# Allegro board parallella_layout.brd (continued)
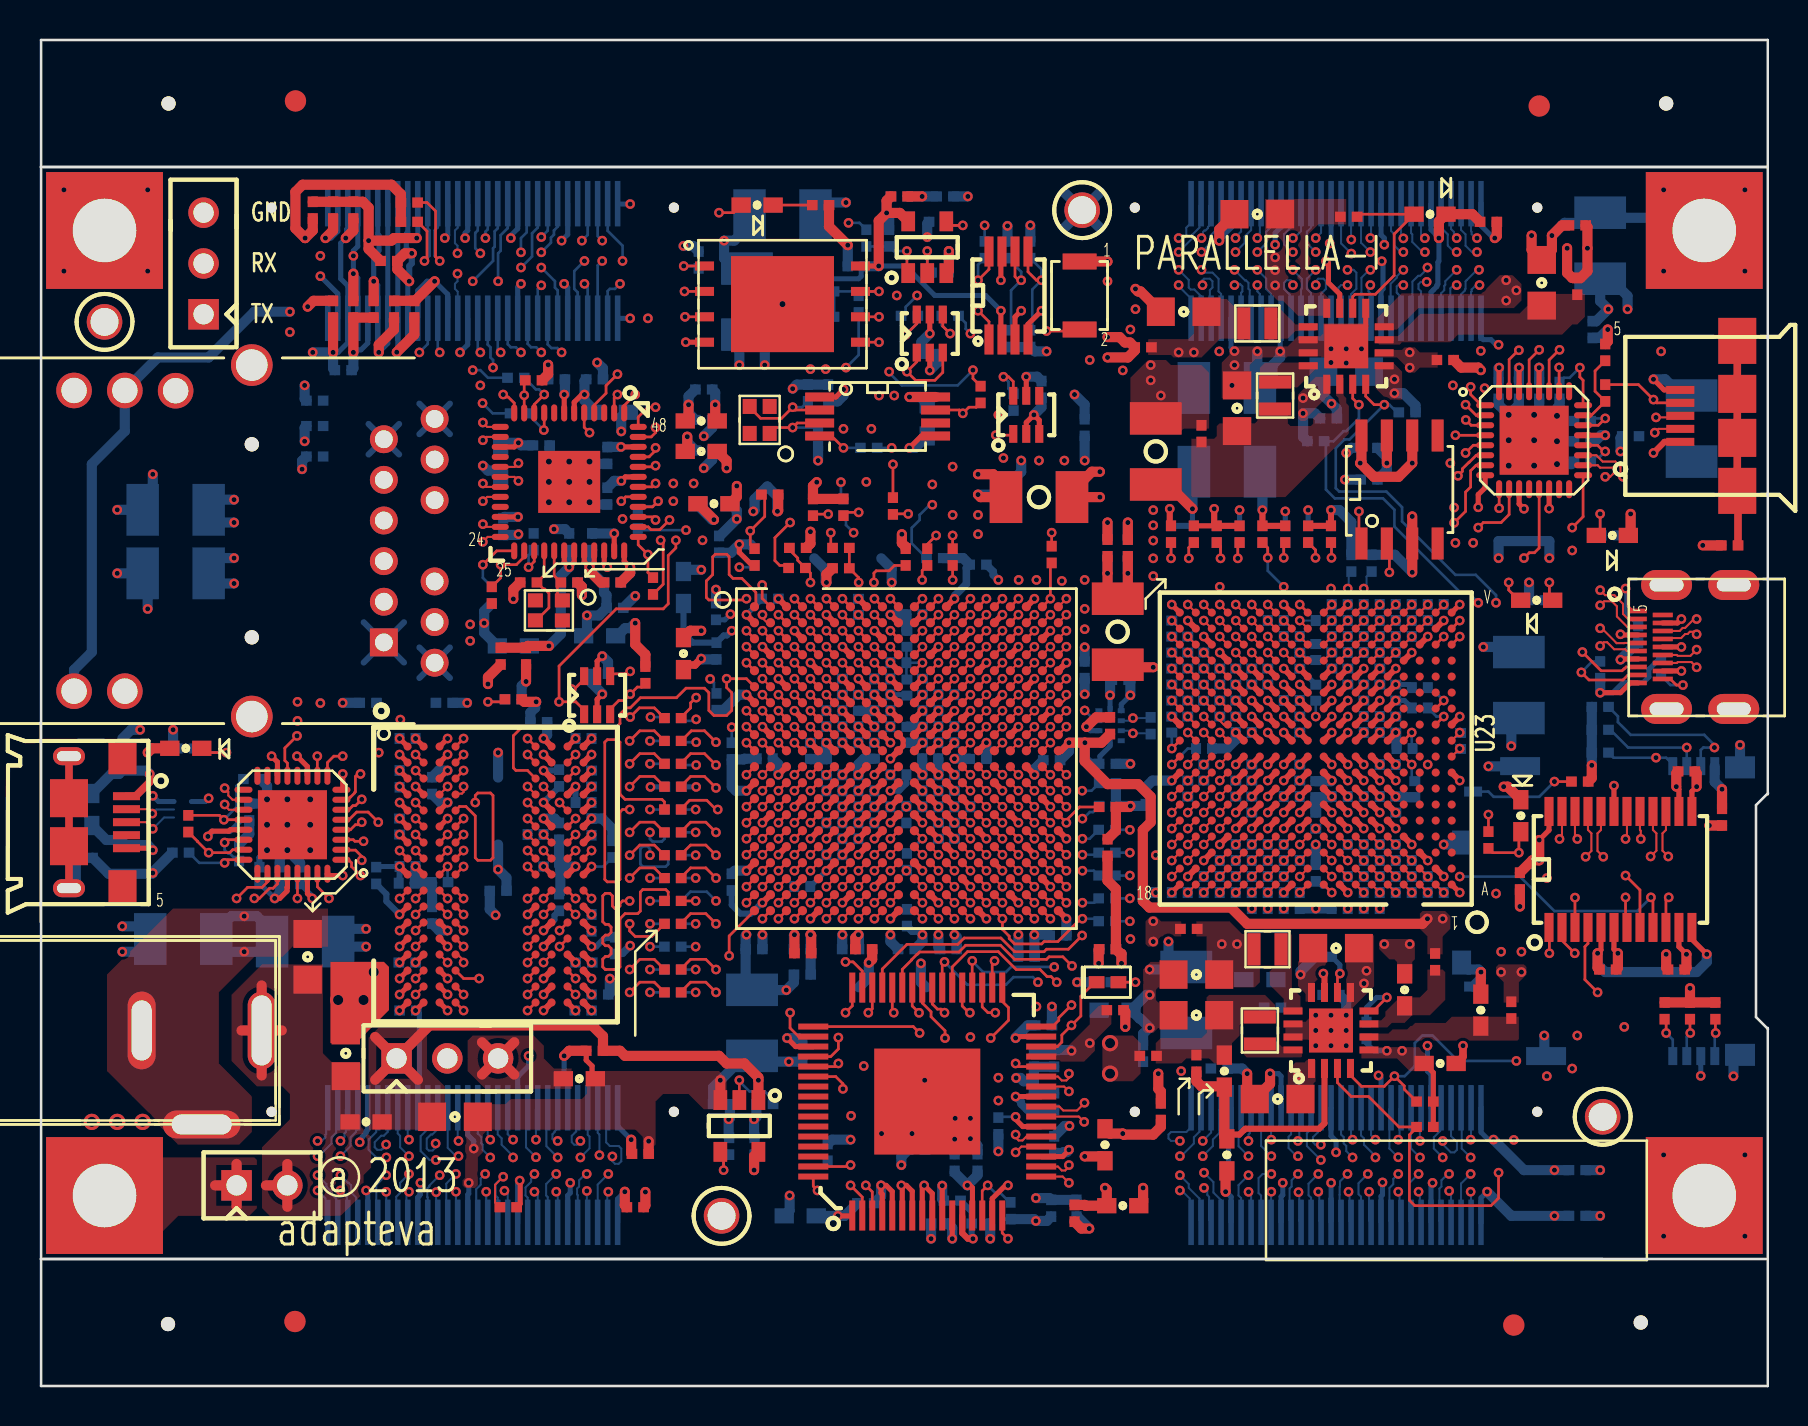
[diagram p0: board, top side]
## Nets (continued)
RXI_EA_DATA0_N: R180.2 U2.A20(IO_L2N_T0_AD8N_35) U23.T18(RXI_EA_DATA_N0)
RXI_EA_DATA0_P: R180.1 U2.B19(IO_L2P_T0_AD8P_35) U23.U18(RXI_EA_DATA_P0)
RXI_EA_DATA1_N: R181.2 U2.B20(IO_L1N_T0_AD0N_35) U23.R17(RXI_EA_DATA_N1)
RXI_EA_DATA1_P: R181.1 U2.C20(IO_L1P_T0_AD0P_35) U23.T17(RXI_EA_DATA_P1)
RXI_EA_DATA2_N: R182.2 U2.D20(IO_L4N_T0_35) U23.P16(RXI_EA_DATA_N2)
RXI_EA_DATA2_P: R182.1 U2.D19(IO_L4P_T0_35) U23.R16(RXI_EA_DATA_P2)
RXI_EA_DATA3_N: R183.2 U2.E19(IO_L5N_T0_AD9N_35) U23.N15(RXI_EA_DATA_N3)
RXI_EA_DATA3_P: R183.1 U2.E18(IO_L5P_T0_AD9P_35) U23.P15(RXI_EA_DATA_P3)
RXI_EA_DATA4_N: R184.2 U2.D18(IO_L3N_T0_DQS_AD1N_35) U23.P18(RXI_EA_DATA_N4)
RXI_EA_DATA4_P: R184.1 U2.E17(IO_L3P_T0_DQS_AD1P_35) U23.R18(RXI_EA_DATA_P4)
RXI_EA_DATA5_N: R185.2 U2.F20(IO_L15N_T2_DQS_AD12N_35) U23.N17(RXI_EA_DATA_N5)
RXI_EA_DATA5_P: R185.1 U2.F19(IO_L15P_T2_DQS_AD12P_35) U23.P17(RXI_EA_DATA_P5)
RXI_EA_DATA6_N: R186.2 U2.G18(IO_L16N_T2_35) U23.M16(RXI_EA_DATA_N6)
RXI_EA_DATA6_P: R186.1 U2.G17(IO_L16P_T2_35) U23.N16(RXI_EA_DATA_P6)
RXI_EA_DATA7_N: R187.2 U2.G20(IO_L18N_T2_AD13N_35) U23.L15(RXI_EA_DATA_N7)
RXI_EA_DATA7_P: R187.1 U2.G19(IO_L18P_T2_AD13P_35) U23.M15(RXI_EA_DATA_P7)
RXI_EA_FRAME_N: R188.2 U2.G15(IO_L19N_T3_VREF_35) U23.L17(RXI_EA_FRAME_N)
RXI_EA_FRAME_P: R188.1 U2.H15(IO_L19P_T3_35) U23.M17(RXI_EA_FRAME_P)
RXI_EA_LCLK_N: R189.2 U2.F17(IO_L6N_T0_VREF_35) U23.M18(RXI_EA_LCLK_N)
RXI_EA_LCLK_P: R189.1 U2.F16(IO_L6P_T0_35) U23.N18(RXI_EA_LCLK_P)
RXI_NO_DATA0_N: J8.3(03) R194.2 U23.A2(RXI_NO_DATA_N0)
RXI_NO_DATA0_P: J8.5(05) R194.1 U23.A3(RXI_NO_DATA_P0)
RXI_NO_DATA1_N: J8.4(04) R195.2 U23.B3(RXI_NO_DATA_N1)
RXI_NO_DATA1_P: J8.6(06) R195.1 U23.B4(RXI_NO_DATA_P1)
RXI_NO_DATA2_N: J8.7(07) R196.2 U23.C4(RXI_NO_DATA_N2)
RXI_NO_DATA2_P: J8.9(09) R196.1 U23.C5(RXI_NO_DATA_P2)
RXI_NO_DATA3_N: J8.8(08) R197.2 U23.D5(RXI_NO_DATA_N3)
RXI_NO_DATA3_P: J8.10 R197.1 U23.D6(RXI_NO_DATA_P3)
RXI_NO_DATA4_N: J8.13 R198.2 U23.A4(RXI_NO_DATA_N4)
RXI_NO_DATA4_P: J8.15 R198.1 U23.A5(RXI_NO_DATA_P4)
RXI_NO_DATA5_N: J8.14 R199.2 U23.B5(RXI_NO_DATA_N5)
RXI_NO_DATA5_P: J8.16 R199.1 U23.B6(RXI_NO_DATA_P5)
RXI_NO_DATA6_N: J8.17 R200.2 U23.C6(RXI_NO_DATA_N6)
RXI_NO_DATA6_P: J8.19 R200.1 U23.C7(RXI_NO_DATA_P6)
RXI_NO_DATA7_N: J8.18 R201.2 U23.D7(RXI_NO_DATA_N7)
RXI_NO_DATA7_P: J8.20 R201.1 U23.D8(RXI_NO_DATA_P7)
RXI_NO_FRAME_N: J8.24 R202.2 R242.2 U23.B7(RXI_NO_FRAME_N)
RXI_NO_FRAME_P: J8.26 R202.1 R243.2 U23.B8(RXI_NO_FRAME_P)
RXI_NO_LCLK_N: J8.23 R203.2 U23.A6(RXI_NO_LCLK_N)
RXI_NO_LCLK_P: J8.25 R203.1 U23.A7(RXI_NO_LCLK_P)
RXI_SO_DATA0_N: J9.3(03) R207.2 U23.V3(RXI_SO_DATA_N0)
RXI_SO_DATA0_P: J9.5(05) R207.1 U23.V2(RXI_SO_DATA_P0)
RXI_SO_DATA1_N: J9.4(04) R208.2 U23.U4(RXI_SO_DATA_N1)
RXI_SO_DATA1_P: J9.6(06) R208.1 U23.U3(RXI_SO_DATA_P1)
RXI_SO_DATA2_N: J9.7(07) R209.2 U23.T5(RXI_SO_DATA_N2)
RXI_SO_DATA2_P: J9.9(09) R209.1 U23.T4(RXI_SO_DATA_P2)
RXI_SO_DATA3_N: J9.8(08) R210.2 U23.R6(RXI_SO_DATA_N3)
RXI_SO_DATA3_P: J9.10 R210.1 U23.R5(RXI_SO_DATA_P3)
RXI_SO_DATA4_N: J9.13 R211.2 U23.V5(RXI_SO_DATA_N4)
RXI_SO_DATA4_P: J9.15 R211.1 U23.V4(RXI_SO_DATA_P4)
RXI_SO_DATA5_N: J9.14 R212.2 U23.U6(RXI_SO_DATA_N5)
RXI_SO_DATA5_P: J9.16 R212.1 U23.U5(RXI_SO_DATA_P5)
RXI_SO_DATA6_N: J9.17 R213.2 U23.T7(RXI_SO_DATA_N6)
RXI_SO_DATA6_P: J9.19 R213.1 U23.T6(RXI_SO_DATA_P6)
RXI_SO_DATA7_N: J9.18 R214.2 U23.R8(RXI_SO_DATA_N7)
RXI_SO_DATA7_P: J9.20 R214.1 U23.R7(RXI_SO_DATA_P7)
RXI_SO_FRAME_N: J9.24 R215.2 R247.2 U23.U8(RXI_SO_FRAME_N)
RXI_SO_FRAME_P: J9.26 R215.1 R246.2 U23.U7(RXI_SO_FRAME_P)
RXI_SO_LCLK_N: J9.23 R216.2 U23.V7(RXI_SO_LCLK_N)
RXI_SO_LCLK_P: J9.25 R216.1 U23.V6(RXI_SO_LCLK_P)
RXO_EA_RD_WAIT: U2.J15(IO_25_34) U38.8(R)
RXO_EA_RD_WAIT_N: R193.2 U23.J17(RXO_EA_RD_WAIT_N) U38.3(B)
RXO_EA_RD_WAIT_P: R193.1 U23.K17(RXO_EA_RD_WAIT_P) U38.2(A)
RXO_EA_WR_WAIT_N: U2.H18(IO_L14N_T2_AD4N_SRCC_35) U23.K16(RXO_EA_WR_WAIT_N)
RXO_EA_WR_WAIT_P: U2.J18(IO_L14P_T2_AD4P_SRCC_35) U23.L16(RXO_EA_WR_WAIT_P)
RXO_NO_RD_WAIT_N: J8.27 U23.B9(RXO_NO_RD_WAIT_N)
RXO_NO_RD_WAIT_P: J8.29 U23.B10(RXO_NO_RD_WAIT_P)
RXO_NO_WR_WAIT_N: J8.28 U23.C8(RXO_NO_WR_WAIT_N)
RXO_NO_WR_WAIT_P: J8.30 U23.C9(RXO_NO_WR_WAIT_P)
RXO_SO_RD_WAIT_N: J9.27 R234.2 U23.U10(RXO_SO_RD_WAIT_N)
RXO_SO_RD_WAIT_P: J9.29 R234.1 U23.U9(RXO_SO_RD_WAIT_P)
RXO_SO_WR_WAIT_N: J9.28 R235.2 U23.T9(RXO_SO_WR_WAIT_N)
RXO_SO_WR_WAIT_P: J9.30 R235.1 U23.T8(RXO_SO_WR_WAIT_P)
SD_CLK: J3.5(CLK) R32.2 R33.1
SD_CMD: J3.3(CMD) R39.1 U2.C6(PS_MIO11)
SD_DAT0: J3.7(DAT0) R37.1 U2.E9(PS_MIO10)
SD_DAT1: J3.8(DAT1) R36.1 U2.E8(PS_MIO13)
SD_DAT2: J3.1(DAT2) R35.1 U2.C5(PS_MIO14)
SD_DAT3: J3.2(CD_DAT3) R34.1 U2.C8(PS_MIO15)
SD_DETECT: J3.10(DETECT) R38.1 U2.E6(PS_MIO0)
SPDIF: J13.27 R82.2 U26.3(SPDIF)
SYS_5P0V: C52.1 C59.1 C241.1 C247.1 C253.1 C254.1 C258.1 C274.1 C279.1 J13.1(01) J13.2(02) J14.2 R276.2 R277.2 R280.2 R283.2 R284.1 R285.1 R288.2 TP15.1 U12.21(VBAT) U13.7(IN) U29.1(VINDCD1) U29.5(VINLDO) U29.12(VINDCD2) U30.1(VINDCD1) U30.5(VINLDO1) U30.8(VINLDO2) U30.12(VINDCD2) U37.11(VCC_5V)
TURBO_MODE: J13.25 R328.2 U2.R16(IO_L19P_T3_34) U36.4(Y)
TXI_EA_RD_WAIT_N: R190.2 U2.J14(IO_L20N_T3_AD6N_35) U23.G17(TXI_EA_RD_WAIT_N)
TXI_EA_RD_WAIT_P: R190.1 U2.K14(IO_L20P_T3_AD6P_35) U23.H17(TXI_EA_RD_WAIT_P)
TXI_EA_WR_WAIT_N: R191.2 U2.J16(IO_L24N_T3_AD15N_35) U23.H16(TXI_EA_WR_WAIT_N)
TXI_EA_WR_WAIT_P: R191.1 U2.K16(IO_L24P_T3_AD15P_35) U23.J16(TXI_EA_WR_WAIT_P)
TXI_NO_RD_WAIT_N: J8.38 R204.2 R240.1 U23.B11(TXI_NO_RD_WAIT_N)
TXI_NO_RD_WAIT_P: J8.40 R204.1 R241.1 U23.B12(TXI_NO_RD_WAIT_P)
TXI_NO_WR_WAIT_N: J8.34 R205.2 U23.C10(TXI_NO_WR_WAIT_N)
TXI_NO_WR_WAIT_P: J8.36 R205.1 U23.C11(TXI_NO_WR_WAIT_P)
TXI_SO_RD_WAIT_N: J9.38 R217.2 U23.U12(TXI_SO_RD_WAIT_N)
TXI_SO_RD_WAIT_P: J9.40 R217.1 U23.U11(TXI_SO_RD_WAIT_P)
TXI_SO_WR_WAIT_N: J9.34 R218.2 U23.T11(TXI_SO_WR_WAIT_N)
TXI_SO_WR_WAIT_P: J9.36 R218.1 U23.T10(TXI_SO_WR_WAIT_P)
TXO_EA_DATA0_N: U2.J19(IO_L10N_T1_AD11N_35) U23.G15(TXO_EA_DATA_N0)
TXO_EA_DATA0_P: U2.K19(IO_L10P_T1_AD11P_35) U23.H15(TXO_EA_DATA_P0)
TXO_EA_DATA1_N: U2.L15(IO_L22N_T3_AD7N_35) U23.F16(TXO_EA_DATA_N1)
TXO_EA_DATA1_P: U2.L14(IO_L22P_T3_AD7P_35) U23.G16(TXO_EA_DATA_P1)
TXO_EA_DATA2_N: U2.L17(IO_L11N_T1_SRCC_35) U23.E17(TXO_EA_DATA_N2)
TXO_EA_DATA2_P: U2.L16(IO_L11P_T1_SRCC_35) U23.F17(TXO_EA_DATA_P2)
TXO_EA_DATA3_N: U2.M15(IO_L23N_T3_35) U23.D18(TXO_EA_DATA_N3)
TXO_EA_DATA3_P: U2.M14(IO_L23P_T3_35) U23.E18(TXO_EA_DATA_P3)
TXO_EA_DATA4_N: U2.L20(IO_L9N_T1_DQS_AD3N_35) U23.E15(TXO_EA_DATA_N4)
TXO_EA_DATA4_P: U2.L19(IO_L9P_T1_DQS_AD3P_35) U23.F15(TXO_EA_DATA_P4)
TXO_EA_DATA5_N: U2.M20(IO_L7N_T1_AD2N_35) U23.D16(TXO_EA_DATA_N5)
TXO_EA_DATA5_P: U2.M19(IO_L7P_T1_AD2P_35) U23.E16(TXO_EA_DATA_P5)
TXO_EA_DATA6_N: U2.M18(IO_L8N_T1_AD10N_35) U23.C17(TXO_EA_DATA_N6)
TXO_EA_DATA6_P: U2.M17(IO_L8P_T1_AD10P_35) U23.D17(TXO_EA_DATA_P6)
TXO_EA_DATA7_N: U2.N16(IO_L21N_T3_DQS_AD14N_35) U23.B18(TXO_EA_DATA_N7)
TXO_EA_DATA7_P: U2.N15(IO_L21P_T3_DQS_AD14P_35) U23.C18(TXO_EA_DATA_P7)
TXO_EA_FRAME_N: U2.H20(IO_L17N_T2_AD5N_35) U23.J15(TXO_EA_FRAME_N)
TXO_EA_FRAME_P: U2.J20(IO_L17P_T2_AD5P_35) U23.K15(TXO_EA_FRAME_P)
TXO_EA_LCLK_N: U2.K18(IO_L12N_T1_MRCC_35) U23.F18(TXO_EA_LCLK_N)
TXO_EA_LCLK_P: U2.K17(IO_L12P_T1_MRCC_35) U23.G18(TXO_EA_LCLK_P)
TXO_NO_DATA0_N: J8.43 R233.2 U23.D11(TXO_NO_DATA_N0)
TXO_NO_DATA0_P: J8.45 R233.1 U23.D12(TXO_NO_DATA_P0)
TXO_NO_DATA1_N: J8.44 R232.2 U23.C12(TXO_NO_DATA_N1)
TXO_NO_DATA1_P: J8.46 R232.1 U23.C13(TXO_NO_DATA_P1)
TXO_NO_DATA2_N: J8.47 R231.2 U23.B13(TXO_NO_DATA_N2)
TXO_NO_DATA2_P: J8.49 R231.1 U23.B14(TXO_NO_DATA_P2)
TXO_NO_DATA3_N: J8.48 R230.2 U23.A14(TXO_NO_DATA_N3)
TXO_NO_DATA3_P: J8.50 R230.1 U23.A15(TXO_NO_DATA_P3)
TXO_NO_DATA4_N: J8.53 R229.2 U23.D13(TXO_NO_DATA_N4)
TXO_NO_DATA4_P: J8.55 R229.1 U23.D14(TXO_NO_DATA_P4)
TXO_NO_DATA5_N: J8.54 R228.2 U23.C14(TXO_NO_DATA_N5)
TXO_NO_DATA5_P: J8.56 R228.1 U23.C15(TXO_NO_DATA_P5)
TXO_NO_DATA6_N: J8.57 R227.2 U23.B15(TXO_NO_DATA_N6)
TXO_NO_DATA6_P: J8.59 R227.1 U23.B16(TXO_NO_DATA_P6)
TXO_NO_DATA7_N: J8.58 R226.2 U23.A16(TXO_NO_DATA_N7)
TXO_NO_DATA7_P: J8.60 R226.1 U23.A17(TXO_NO_DATA_P7)
TXO_NO_FRAME_N: J8.33 U23.D9(TXO_NO_FRAME_N)
TXO_NO_FRAME_P: J8.35 U23.D10(TXO_NO_FRAME_P)
TXO_NO_LCLK_N: J8.37 R206.2 U23.A12(TXO_NO_LCLK_N)
TXO_NO_LCLK_P: J8.39 R206.1 U23.A13(TXO_NO_LCLK_P)
TXO_SO_DATA0_N: J9.43 U23.R12(TXO_SO_DATA_N0)
TXO_SO_DATA0_P: J9.45 U23.R11(TXO_SO_DATA_P0)
TXO_SO_DATA1_N: J9.44 U23.T13(TXO_SO_DATA_N1)
TXO_SO_DATA1_P: J9.46 U23.T12(TXO_SO_DATA_P1)
TXO_SO_DATA2_N: J9.47 U23.U14(TXO_SO_DATA_N2)
TXO_SO_DATA2_P: J9.49 U23.U13(TXO_SO_DATA_P2)
TXO_SO_DATA3_N: J9.48 U23.V15(TXO_SO_DATA_N3)
TXO_SO_DATA3_P: J9.50 U23.V14(TXO_SO_DATA_P3)
TXO_SO_DATA4_N: J9.53 U23.R14(TXO_SO_DATA_N4)
TXO_SO_DATA4_P: J9.55 U23.R13(TXO_SO_DATA_P4)
TXO_SO_DATA5_N: J9.54 U23.T15(TXO_SO_DATA_N5)
TXO_SO_DATA5_P: J9.56 U23.T14(TXO_SO_DATA_P5)
TXO_SO_DATA6_N: J9.57 U23.U16(TXO_SO_DATA_N6)
TXO_SO_DATA6_P: J9.59 U23.U15(TXO_SO_DATA_P6)
TXO_SO_DATA7_N: J9.58 U23.V17(TXO_SO_DATA_N7)
TXO_SO_DATA7_P: J9.60 U23.V16(TXO_SO_DATA_P7)
TXO_SO_FRAME_N: J9.33 R236.2 R244.1 U23.R10(TXO_SO_FRAME_N)
TXO_SO_FRAME_P: J9.35 R236.1 R245.1 U23.R9(TXO_SO_FRAME_P)
TXO_SO_LCLK_N: J9.37 U23.V13(TXO_SO_LCLK_N)
TXO_SO_LCLK_P: J9.39 U23.V12(TXO_SO_LCLK_P)
UART_RX: J2.2 J13.24 R40.2 U5.3(A2)
UART_TX: J2.1 J13.26 U5.6(Y1)
USB_VBUS: C63.1 C68.1 C287.1 J7.1(VBUS) J14.3 R100.2 R103.2 U17.21(VBAT)
USER_LED: CR10.2(A) J13.28 R334.2
VADC_N: J13.33 R80.2 U2.L10(VN_0)
VADC_P: J13.34 R81.2 U2.K9(VP_0)
VMODE_1: R43.2 R75.1 U2.D5(PS_MIO8)
ZYNQ_VCCPLL: C172.1 C307.1 FB12.2 U2.G8(VCCPLL)
N20734701: R4.1 U2.R10(INIT_B_0)
N20734785: R3.1 U2.R11(DONE_0)
N20734865: C16.1 FB2.2 U2.J10(GNDADC_0) U2.K10(VREFN_0) U2.L9(VREFP_0)
N20879833: R32.1 U2.D9(PS_MIO12)
N20899839: R296.1 U2.F14(PS_MIO21)
N20899988: R60.1 U2.C10(PS_MIO52)
N20900114: R59.1 U2.A19(PS_MIO16)
N20927995: C25.1 C26.1 C27.1 C28.1 FB3.1 J5.1(TRCT3) J5.6(TRCT2) J5.7(TRCT4) J5.12(TRCT1)
N20937479: R71.2 U9.40(RX_CLK)
N21001971: R77.1 U9.27(HSDAC_P)
N21002298: R78.1 U9.26(HSDAC_N)
N21089768: C57.1 U12.20(VDD33)
N21090019: R85.1 R116.1 U12.23(ID)
N21090233: CR5.2(A) R89.2
N21090237: R86.1 U12.22(VBUS)
N21090239: C260.1 J6.6(SHLD1) J6.7(SHLD2) J6.8(SHLD3) J6.9(SHLD4)
N21090289: R90.1 U12.24(RBIAS)
N21123442: C261.1 J7.6(SHLD1) J7.7(SHLD2) J7.8(SHLD3) J7.9(SHLD4)
N21123446: C66.1 R101.2 U17.20(VDD33)
N21123707: R101.1 U17.23(ID)
N21123919: R103.1 U17.22(VBUS)
N21123971: R106.1 U17.24(RBIAS)
N21274148: R112.1 U2.G5(PS_DDR_VRN)
N21274157: R113.1 U2.H5(PS_DDR_VRP)
N21305139: C95.1 C96.2 R69.2 R70.1 U20.J1(VREFDQ) U20.J12(VREFCA)
N21307938: R119.1 U20.J3(ZQ0)
N21356725: R120.1 U20.J10(ZQ1)
N22414199: D1.2(ANODE) R225.2
N22934179: L8.1 U29.16(SW1)
N22934548: C242.2 R278.2 R279.1 U29.2(FB1)
N22939905: C242.1 C243.1 L8.2 R278.1 R286.1
N22955654: C248.1 L11.2 R330.1 U30.2(FB1)
N22955725: C250.1 L10.2 R331.1 U30.11(FB2)
N22955745: L10.1 U30.13(SW2)
N22955797: L11.1 U30.16(SW1)
N22979034: C251.1 R293.1 U29.6(VOLDO1)
N22979674: C252.1 R329.1 U29.7(VOLDO2)
N23028604: C255.1 R332.1 U30.6(VOLDO1)
N23029208: C256.1 R333.1 U30.7(VOLDO2)
N23098459: CR8.2(A) R288.1 U30.10(DCDPG)
N23150334: R289.2 U23.A10(RXI_NO_CCLK_P)
N23150336: R290.2 U23.A9(RXI_NO_CCLK_N)
N23155371: R291.2 U23.V9(RXI_SO_CCLK_P)
N23155373: R292.2 U23.V10(RXI_SO_CCLK_N)
N23204370: J15.1 PTH1.1
N23524236: U2.B5(PS_MIO9) U5.4(Y2)
N23533198: R297.2 U9.37(RX_CTRL)
N23584454: R8.1 U2.L6(PROG_B_0)
N23601474: R294.1 U33.2(A)
N23613650: R298.2 R301.2 U34.5(V3IN)
N23614416: R299.2 R300.1 U34.6(V4IN)
N23881678: R224.1 U26.14(R_EXT)
N23924961: C196.1 C257.1 C262.1 FB16.1 U26.29(DVDD_3V)
N23961346: R82.1 U2.Y16(IO_L7P_T1_34)
N23963188: R94.1 U2.Y17(IO_L7N_T1_34)
N23969750: R42.1 U2.V17(IO_L21P_T3_DQS_34)
N23971584: R44.1 U2.T17(IO_L20P_T3_34)
N23973428: R41.1 U2.R17(IO_L19N_T3_VREF_34)
N24967627: CR6.2(A) R100.1
N24971917: CR4.2(A) R84.1
N25055901: C54.1 U35.3(XIN) Y1.1
N25055972: C61.1 U35.2(XOUT) Y1.3
N25073534: R55.1 U35.7(SSCLK3)
N25073620: R56.1 U35.4(REFCLK)
N25086531: R99.1 U11.6(Y1)
N25086552: R110.1 U11.4(Y2)
N25088109: R114.1 U14.6(Y1)
N25161882: R96.1 U34.8(RST_L)
N25176046: R327.1 U36.2(A)
N25262962: R237.1 U26.22(PD)
N25329408: R219.2 U23.L2(RXI_WE_FRAME_P)
N25329410: R220.2 U23.M2(RXI_WE_FRAME_N)
N25337074: CR1.1(C) R1.2
N25352411: CR10.1(C) R30.1
N25693741: R75.2 U5.1(A1)
N25830704: C244.2 R281.1 R282.2 U29.11(FB2)
N25830712: C244.1 C245.1 L9.2 R282.1 R287.1
N25830793: L9.1 U29.13(SW2)
N26009321: R221.2 U23.K18(RXI_EA_CCLK_P)
N26009323: R222.2 U23.J18(RXI_EA_CCLK_N)
N26021053: R238.1 U23.J4(TXO_WE_FRAME_P)
N26025511: R239.1 U23.K4(TXO_WE_FRAME_N)

Pads without a net: J5 15; J7 4; J10 2; J13 10; R77 2; R78 2; U2 V5; U9 3 8 16 21; U12 12 15 16 25; U13 4 5; U14 4; U17 12 15 16 17 25; U20 G2 H11 H12; U23 B1 C1 C2 D1 D2 D3 E1 E2 E3 E4 F1 F2 F3 F4 G1 G2 G3 G4 H2 H3 H4 J2 J3 K2 K3 L3 L4 M1 M3 M4 N1 N2 N3 N4 P1 P2 P3 P4 R1 R2 R3 T1 T2 U1; U26 55 56 57 58 59 60 61 62; U35 6; U38 4 6 9; Y1 2 4; Y2 2 4

## Via types
v1: diameter 0.483, hole 0.254, TOP to BOTTOM, 1809 vias
v2: diameter 0.813, hole 0.508, TOP to BOTTOM, 8 vias
v3: diameter 0.61, hole 0.305, TOP to BOTTOM, 28 vias

## Routing (per net, layer and track width the routed paths; a pad name or vN(x,y) marks a point on that pad's centre or on a via; arc(x,y) is an arc through that point)
AVDD_18: length 25.7
  TOP w0.254: v1(23.93,47.17) 23.72,46.96 U9.15 ; U9.33 27.72,41.18 v1(27.49,40.94) 27.22,41.21 U9.32 ; U9.22 v1(23.91,43.46)
  TOP w0.508: C50.1 28.06,40.18 27.49,40.75 v1(27.49,40.94)
  L10_SIG w0.508: v1(27.36,38.53) 27.87,39.04 27.87,40.06 27.49,40.44 v1(27.49,40.94) 27.49,41.2 26.85,41.83 25.2,41.83 24.82,42.21 24.82,42.98 24.33,43.46 v1(23.91,43.46) 23.7,43.46 23.17,43.99 23.17,46.93 23.4,47.17 v1(23.93,47.17)
  BOTTOM w0.508: C49.1 27.36,37.68 v1(27.36,38.53) 27.95,38.53 FB7.1 28.34,39.55 28.21,39.67 C50.1 28.12,40.18 27.49,40.82 v1(27.49,40.94) 27.49,41.67 C44.1 ; C47.1 24.06,47.04 v1(23.93,47.17) 23.26,47.17 C48.1 ; C46.1 23.23,43.46 v1(23.91,43.46)
AVDDC_18: length 10.5
  TOP w0.254: U9.30 26.22,41.19 v1(26.47,40.94) 26.72,41.19 U9.31
  TOP w0.508: FB5.1 C39.1 24.4,37.01 v1(25.45,37.01)
  BOTTOM w0.508: C38.1 v1(25.45,37.01) 26.05,37.6 C36.1 26.05,40.53 v1(26.47,40.94) C37.1
GND: length 538.8
  TOP w0.254: v1(82.1,36.96) J10.10 ; U23.A18 v1(56.61,24.68) ; v1(5.64,26.8) 5.54,26.89 J7.5 ; U26.4 42.13,9.59 42.06,9.65 v1(42.06,10.03) 42.32,10.03 42.63,9.73 U26.5 ; U26.9 44.63,9.63 v1(44.22,10.03) 44.13,9.94 U26.8 ; U2.U16 v1(48.14,25.77) ; v1(79.05,37.59) 79.08,37.56 J10.7 ; v1(26.79,32.38) 26.39,31.98 U20.A11 ; R47.2 35.64,41.14 35.52,41.14 34.98,41.68 v1(34.98,42.09) ; U26.7 43.63,9.74 43.33,10.03 v1(43.08,10.03) 43.13,9.99 U26.6 ; U23.V1 v1(71.01,39.08) ; v1(43.49,46.91) 44.08,47.51 U35.5 ; J10.16 v1(82.1,35.76) ; U20.R3 v1(20.39,20.38) ; U37.6 78.72,21.84 v1(78.92,21.64) ; v1(29.52,40.94) 29.22,41.24 U9.36 ; U20.A3 19.99,31.98 v1(20.39,32.38) ; U23.V8 v1(65.41,39.08) ; U23.V18 v1(56.61,39.08) ; v1(50.09,53.77) 49.42,53.1 U34.4 ; U23.A1 v1(71.01,24.68) ; J10.4 81.9,38.16 v1(82.1,38.35) ; v1(81.84,29.97) 81.97,29.84 U37.14 ; R273.2 27.32,16.29 27.61,16 27.61,15.53 C287.2 ; U5.2 27.87,34.34 v1(28.12,34.59) ; U34.7 48.06,56.68 v1(48.06,55.3) ; U20.A2 19.19,31.98 v1(18.79,32.38) ; U7.4 v1(32.3,52.2) ; U23.V11 v1(62.21,39.08) ; v1(80.7,50.34) 81.23,49.81 J6.5 ; v1(20.39,31.58) 19.99,31.18 U20.B3 ; U9.35 v1(28.72,42.63) ; U20.F1 v1(17.99,28.38) ; U20.D1 v1(17.99,29.98) ; U20.M1 v1(17.99,22.78) ; v1(20.39,30.78) 19.99,30.38 U20.C3 ; U20.U3 v1(20.39,18.78) ; U14.2 49.33,48.18 v1(49.71,48.56) 49.98,48.3 U14.3 ; R223.1 24.02,9.12 24.02,10.25 v1(23.99,10.27) ; U20.U2 v1(18.79,18.78) ; U20.J2 v1(18.79,25.98) ; v1(79.05,36.32) 79.08,36.36 J10.13 ; U11.2 v1(44.5,50.79) ; U26.10 v1(45.13,10.02) ; U37.19 v1(78.72,30.02) ; U20.T3 v1(20.39,19.58) ; U30.9 66.31,52.97 ; U20.P1 v1(17.99,21.18) ; U20.U11 v1(26.79,18.78) ; U20.N1 v1(17.99,21.98) ; U20.E1 v1(17.99,29.18) ; U2.N8 v1(40.93,28.97)
  TOP w0.305: U23.P11 v1(62.21,35.88) ; U23.M5 v1(67.81,34.28) ; U2.F7 v1(40.13,35.37) ; v1(27.59,21.18) 27.59,21.18 U20.P12 ; v1(26.79,25.98) 26.39,25.58 U20.J11 ; U2.K7 v1(40.13,32.17) ; U23.K7 v1(66.21,32.68) ; U2.K13 v1(45.74,32.17) ; U2.E10 v1(42.53,36.17) ; U23.T16 v1(58.21,37.48) ; v1(27.59,29.18) 27.19,28.78 U20.E12 ; U23.L8 v1(65.41,33.48) ; U23.N14 v1(59.81,35.08) ; U20.F12 27.19,27.98 v1(27.59,28.38) ; U2.R8 v1(40.93,27.37) ; U23.P7 v1(66.21,35.88) ; U23.F13 v1(60.61,28.68) ; U2.M13 v1(45.74,29.77) ; U23.G8 v1(65.41,29.48) ; U2.J2 v1(36.13,32.97) ; U2.N12 v1(44.94,28.97) ; U2.N14 v1(46.54,28.97) ; U23.G6 v1(67.01,29.48) ; U2.N4 v1(37.73,28.97) ; U2.M9 v1(41.73,29.77) ; U23.E5 v1(67.81,27.88) ; U23.T3 v1(69.41,37.48) ; U23.L18 v1(56.61,33.48) ; U2.W12 v1(44.94,24.17) ; U20.M12 v1(27.59,22.78) ; U23.L14 v1(59.81,33.48) ; U2.U6 v1(39.33,25.77) ; U23.F6 v1(67.01,28.68) ; U2.F11 v1(44.14,35.37) ; U23.J12 v1(61.41,31.08) ; U23.L1 v1(71.01,33.48) ; U23.L10 v1(63.01,33.48) ; U23.R15 v1(59.01,36.68) ; U2.T13 v1(45.74,26.57) ; U2.F10 v1(42.53,35.37) ; U23.L6 v1(67.01,33.48) ; U23.U17 v1(57.41,38.28) ; U23.E6 v1(67.01,27.88) ; U20.T10 v1(25.19,19.58) ; U2.P17 v1(48.94,28.17) ; U20.U10 v1(25.19,18.78) ; U23.H13 v1(60.61,30.28) ; U23.P5 v1(67.81,35.88) ; U23.H1 v1(71.01,30.28) ; U2.L18 v1(49.74,30.57) ; U23.N6 v1(67.01,35.08) ; U2.W2 v1(36.13,24.17) ; U2.Y5 v1(38.53,23.37) ; U23.A8 v1(65.41,24.68) ; U23.B2 v1(70.21,25.48) ; U2.A18 v1(49.74,39.37) ; U2.H19 v1(50.54,33.77) ; U2.B11 v1(44.14,38.57) ; U23.K9 v1(64.61,32.68) ; U23.M13 v1(60.61,34.28) ; v1(27.59,21.98) 27.59,21.98 U20.N12 ; U2.J12 v1(44.94,32.97) ; U2.A8 v1(40.93,39.37) ; U2.R12 v1(44.94,27.37) ; U23.D4 v1(68.61,27.08) ; U2.P9 v1(41.73,28.17) ; U2.T7 v1(40.13,26.57) ; U2.J8 v1(40.93,32.97) ; U2.D17 v1(48.94,36.97) ; U23.B17 v1(57.41,25.48) ; U2.H13 v1(45.74,33.77) ; U2.R20 v1(51.34,27.37) ; U2.C4 v1(37.73,37.77) ; U2.G16 v1(48.14,34.57) ; v1(25.19,32.38) 25.59,31.98 U20.A10 ; U2.E20 v1(51.34,36.17) ; U2.P7 v1(40.13,28.17) ; U23.P13 v1(60.61,35.88) ; U23.E14 v1(59.81,27.88) ; U2.G10 v1(42.53,34.57) ; U2.V9 v1(41.73,24.97) ; U23.P9 v1(64.61,35.88) ; U23.K5 v1(67.81,32.68) ; U23.M7 v1(66.21,34.28) ; U23.L12 v1(61.41,33.48) ; U20.B10 v1(25.19,31.58) ; U23.F14 v1(59.81,28.68) ; U23.H5 v1(67.81,30.28) ; U23.H9 v1(64.61,30.28) ; U2.K15 v1(47.34,32.17) ; U23.C16 v1(58.21,26.28) ; U2.T3 v1(36.93,26.57) ; U23.J8 v1(65.41,31.08) ; U23.R4 v1(68.61,36.68) ; U2.H9 v1(41.73,33.77) ; U2.K11 v1(44.14,32.17) ; U23.N12 v1(61.41,35.08) ; U23.M9 v1(64.61,34.28) ; U2.K5 v1(38.53,32.17) ; U2.G12 v1(44.94,34.57) ; U2.P13 v1(45.74,28.17) ; U2.Y15 v1(47.34,23.37) ; U20.D12 27.19,29.58 v1(27.59,29.98) ; U23.A11 v1(62.21,24.68) ; U23.M11 v1(62.21,34.28) ; U23.N8 v1(65.41,35.08) ; U23.C3 v1(69.41,26.28) ; U23.K13 v1(60.61,32.68) ; U20.R10 v1(25.19,20.38) ; U23.N10 v1(63.01,35.08) ; U23.H7 v1(66.21,30.28) ; U23.G12 v1(61.41,29.48) ; U2.M11 v1(44.14,29.77) ; U2.V19 v1(50.54,24.97) ; U23.F5 v1(67.81,28.68) ; U2.H11 v1(44.14,33.77) ; U2.H7 v1(40.13,33.77) ; U23.H11 v1(62.21,30.28) ; U23.E13 v1(60.61,27.88) ; U23.U2 v1(70.21,38.28) ; U23.G14 v1(59.81,29.48) ; U23.D15 v1(59.01,27.08) ; U2.L12 v1(44.94,30.57) ; U2.M7 v1(40.13,29.77) ; U2.P11 v1(44.14,28.17) ; U2.M10 v1(42.53,29.77) ; U23.K11 v1(62.21,32.68) ; U23.J10 v1(63.01,31.08) ; U23.H18 v1(56.61,30.28) ; U20.C10 v1(25.19,30.78) ; U2.C9 v1(41.73,37.77) ; U2.N10 v1(42.53,28.97) ; U23.G10 v1(63.01,29.48) ; U23.J14 v1(59.81,31.08) ; U2.L8 v1(40.93,30.57) ; U2.M1 v1(35.33,29.77) ; U2.B1 v1(35.33,38.57) ; U23.J6 v1(67.01,31.08) ; U2.C14 v1(46.54,37.77) ; U2.F3 v1(36.93,35.37)
  TOP w0.381: v1(71.17,17.02) 71.17,16.47 C254.2
  TOP w0.508: C239.2 78.92,20.92 v1(78.92,21.64) ; C50.2 29.52,40.65 v1(29.52,40.94) ; C189.2 v1(74.02,23.98) ; U36.3 v1(34.03,15.29) ; v1(81.84,29.97) 81.84,30.65 C289.2 ; v1(46.92,45.59) 47.68,45.59 48.31,44.96 C214.2 47.04,44.45 v1(46.92,44.58) ; C150.2 38.57,22.53 v1(38.53,22.57) ; CR4.1 79.56,42.65 v1(79.56,43.61) ; v1(29.77,38.15) 29.77,37.08 30.28,36.58 R40.1 ; C85.2 23.68,39.84 v1(23.68,39.36) ; v1(16.44,57.28) 16.44,56.86 C275.2 ; v1(16.44,57.28) 17.58,57.28 17.71,57.4 v1(18.84,57.4) ; v1(16.44,57.28) 16.44,58.93 16.14,59.22 C293.2 C294.2 C295.2 ; C250.2 55.04,54.74 54.92,54.74 v1(54.79,54.86) ; v1(60.38,15.62) 60.38,14.73 C241.2 61.52,15.11 v1(61.52,15.62) ; v1(69.97,57.4) 69.97,58.24 CR8.1 71.64,58.6 C272.2 ; C34.2 33.77,48.36 v1(33.77,49.07) ; C260.2 v1(83.16,42.04) ; v1(55.17,9.91) 55.17,9.23 C296.2 ; v1(57.64,43.87) 56.45,45.06 56.31,45.06 C218.2 ; CR6.1 5.6,31.89 v1(5.39,31.67) ; v1(54.09,21.13) 54.09,21.62 54.04,21.62 C129.2 53.81,24.85 53.39,25.27 C132.2 ; C276.2 C277.2 18.76,54.27 v1(19.74,55.24) ; C278.2 C292.2 v1(15.67,51.69) ; C259.1 v1(44.12,59.49) ; v1(58.98,57.28) 58.98,57.84 C247.2 ; C39.2 v1(24.31,35.23) ; v1(39.33,40.18) 39.33,40.59 R45.1 ; C235.2 53.51,12.62 v1(54.16,12.62) 54.21,12.57 54.21,12.57 55.67,12.57 56.06,12.96 C127.2 ; U33.3 45.46,55.78 v1(45.46,56.76) ; v1(81.33,21.59) 81.33,20.92 C258.2 ; v1(25.41,51.07) 25.41,50.6 R74.2 ; v1(68.63,43.48) U13.3 v1(68.63,40.69) ; C62.2 27.1,39.97 v1(27.1,39.55) ; C40.2 34.34,46.27 v1(34.34,45.9) ; C126.2 13.68,54.27 v1(13.39,53.98) ; C297.1 52.82,33.44 52.35,32.97 v1(52.34,32.97) ; v1(26.22,16.51) 26.47,16.76 R273.2 ; R50.1 R51.1 38.66,45.01 v1(38.85,45.2) ; C251.2 72.06,20.69 v1(72.07,20.7) ; v1(74.6,57.53) 74.6,56.82 C256.2 75.62,56.82 v1(75.62,57.53) 76.13,58.04 C188.2 ; v1(34.85,45.01) 34.85,44.46 C172.2 ; v1(78.41,52.83) 78.41,52.24 R116.2 ; SW2.1 v1(53.39,56.23) ; C190.2 40.78,22.42 v1(40.93,22.57) ; R30.2 39.46,57.99 v1(40.4,57.05) ; C11.1 v1(83.49,28.03) ; C269.2 30.28,9.03 v1(30.28,9.7) ; C268.2 v1(30.44,12.24) ; R279.2 59.3,10.69 v1(59.3,9.72) ; C136.2 v1(53.39,40.64) 53.39,39.88 C195.2 54.41,39.88 v1(54.41,40.64) C138.2
  BOTTOM w0.254: C75.2 36.1,39.33 v1(35.33,38.57) ; v1(63.43,43.8) R165.2 R167.2 ; J13.52 16.39,57.32 v1(16.44,57.28) ; J11.51 16.39,9.69 v1(16.31,9.78) ; J11.12 26.39,15.37 26.22,15.55 v1(26.22,16.51) ; C109.2 18.98,18.62 18.98,15.43 18.89,15.35 J11.42 ; v1(18.84,57.4) 18.89,57.45 J13.42 ; J8.52 59.57,12.26 59.45,12.13 59.45,11.18 59.3,11.03 v1(59.3,9.72) 59.32,9.72 59.57,9.46 J8.51 ; R169.2 57.64,43.09 v1(57.64,43.87) ; v1(64.57,10.16) 64.57,9.36 J8.31 ; J11.11 26.39,9.53 26.52,9.65 v1(26.52,10.16) ; v1(61.52,15.62) 61.95,15.62 62.07,15.49 J8.42 ; R168.2 R166.2 v1(60,43.8) ; v1(23.99,10.27) 23.99,10.16 23.89,10.06 J11.21 ; R170.2 R171.2 v1(62.28,43.74) ; v1(19.03,10.16) 19.03,9.59 18.98,9.54 18.98,9.51 18.9,9.44 18.9,9.42 18.89,9.42 J11.41 ; J9.41 62.03,53.35 v1(62.03,51.74) ; J9.12 69.57,57.83 69.79,57.61 69.79,57.58 v1(69.97,57.4) 69.97,56.25 69.92,56.2 69.92,55.09 69.86,55.04 69.86,54.98 69.69,54.81 69.69,54.81 69.57,54.7 J9.11 ; v1(67.15,10.18) 67.15,9.56 67.07,9.49 J8.21 ; v1(64.57,51.87) 64.57,51.87 J9.31 ; J13.41 18.89,54.78 19.36,55.24 v1(19.74,55.24) 20.39,54.59 J13.35 ; v1(26.22,55.12) 26.39,54.94 J13.11 ; R219.1 68.25,34.28 v1(67.81,34.28) ; v1(15.99,12.19) 15.99,12.32 16.15,12.48 16.15,12.5 16.31,12.66 16.31,12.74 16.39,12.82 J11.52 ; J13.12 26.39,57.58 v1(26.09,57.28) ; v1(21.01,51.69) 21.39,52.07 J13.31 ; U38.7 52.54,32.77 v1(52.34,32.97) ; J9.52 59.57,57.92 59.27,57.62 59.27,57.57 v1(58.98,57.28) ; v1(8.44,29.39) 8.28,29.23 7.58,29.23 ; C23.2 43.32,34.57 v1(42.53,34.57) ; J13.36 20.39,57.55 v1(20.25,57.4) ; J9.42 62.07,57.95 61.78,57.66 v1(61.78,57.07) ; U38.1 54.08,34.09 v1(54.54,34.54) ; v1(15.67,51.69) 15.8,51.82 16.06,51.82 16.39,52.15 J13.51 ; v1(69.4,17.02) 69.4,15.75 69.57,15.57 J8.12 ; J8.41 62.07,9.47 62.16,9.55 v1(62.16,10.16) ; J3.6 v1(83.06,15.51) ; J11.32 21.39,12.56 21.69,12.26 v1(21.69,11.87) ; v1(67.24,57.07) 67.24,57.4 67.07,57.57 J9.22 ; J8.11 69.57,10.08 v1(69.65,10.16) ; v1(59.74,51.75) 59.57,51.92 J9.51 ; J13.22 23.89,57.88 23.55,57.53 v1(23.55,57.4) ; v1(64.82,11.68) 64.82,12.26 64.57,12.51 64.57,13.91 J8.32 ; J8.22 67.07,15.4 v1(66.95,15.53) ; J11.22 23.89,15.46 24.44,16 v1(24.44,16.51) ; C78.2 34.25,38.32 v1(34.53,38.6) ; v1(64.51,57.14) 64.57,57.2 J9.32 ; J9.21 67.07,54.76 67.17,54.86 67.17,56.18 v1(67.11,56.25) ; v1(24.06,55.12) 23.89,54.95 J13.21 ; C80.2 v1(30.53,29.96) ; C76.2 39.32,25.77 v1(39.33,25.77) ; J13.32 21.39,57.78 21.39,57.78 21.26,57.66 v1(21.26,57.4) ; v1(21.44,10.16) 21.44,9.62 21.39,9.57 J11.31
  BOTTOM w0.305: v3(11.36,26.8) 10.98,26.42 C64.2 ; v1(42.53,29.77) 42.98,29.77 43.33,30.12 R80.1 ; C73.2 25.92,30.78 v1(25.19,30.78) ; C104.2 v1(17.99,21.18) ; C77.2 28.72,22.4 28.25,22.4 27.82,21.98 v1(27.59,21.98) ; v1(36.13,24.17) 36.11,24.17 35.56,23.62 35.03,23.62 34.6,24.05 C72.2 ; R169.2 R160.2
  BOTTOM w0.381: v1(44.14,22.57) 43.96,22.75 43.61,22.75 C130.2 ; v1(47.93,40.31) 47.68,40.56 47.68,40.73 C21.2
  BOTTOM w0.508: v1(49.74,30.57) 49.74,30.85 C137.2 ; FB2.1 32.27,40.82 v1(33.07,40.82) ; v1(48.82,15.41) 49.04,15.41 49.2,15.24 49.71,15.24 ; R327.2 35.83,13.45 v1(35.71,13.34) 35.71,12.43 C288.1 ; v1(29.52,40.94) 29.52,40.65 C50.2 ; C81.2 19.95,30.78 v1(20.39,30.78) ; v1(27.87,51.18) 28.16,50.89 C32.2 ; C31.1 50.09,48.95 v1(49.71,48.56) ; C47.2 25.49,46.27 v3(25.45,46.23) ; C270.2 v1(78.03,8.51) ; C140.2 v1(47.34,32.17) ; C155.2 v1(36.13,22.57) ; v1(79.05,36.32) 79.9,37.17 R24.2 ; 49.71,15.24 C262.2 C196.2 ; 49.71,15.24 C234.2 C144.2 ; v1(28.72,42.63) 27.61,42.63 C44.2 ; C233.2 50.36,8.26 v1(49.81,8.26) 49.72,8.34 R224.2 ; C261.2 3.43,25.62 5.6,25.62 v1(5.64,25.65) 5.64,25.69 R106.2 ; C28.2 v1(15.14,34.16) ; C271.2 v1(78.03,10.79) ; C37.2 26.25,42.85 v1(25.71,42.85) ; v1(78.41,52.83) 77.99,52.41 C273.2 ; v1(39.33,40.18) 39.3,40.22 39.3,40.82 38.72,41.39 ; C162.2 43.37,32.17 v1(44.14,32.17) ; C231.2 38,16.22 v1(37.45,16.22) 35.91,16.22 C216.2 35.24,16.51 v1(34.03,15.29) 33.67,14.94 C193.2 ; C128.2 49.75,21.72 49.74,21.73 v1(49.74,22.57) 50.46,22.57 C133.2 ; v1(46.92,44.58) 48.19,44.58 C214.2 48.82,44.96 48.82,45.47 49.08,45.72 v1(49.08,46.28) ; R120.2 26.02,24.66 C110.2 ; R120.2 25.96,26.04 C107.2 ; R120.2 v1(26.79,25.98) ; v1(68.63,40.69) 67.76,41.57 R246.1 ; R240.2 v1(63.81,23.88) R243.1 ; C38.2 22.21,37.67 v1(22.21,38.15) 22.21,38.75 R79.2 ; C145.2 51.25,13 v1(51.49,13) ; C182.2 C156.2 38.55,22.56 v1(38.53,22.57) ; C42.2 27.6,46.11 v3(27.49,46.23) ; v1(72.19,36.96) 73.71,36.96 C12.2 ; v1(40.93,22.57) 40.96,22.54 C154.2 ; C284.2 60.12,15.88 v1(60.38,15.62) ; C307.2 v1(41.73,33.77) ; C79.2 19.61,25.16 R119.2 19.23,25.2 19.18,25.15 R70.2 18.79,25.19 v1(18.79,25.98) ; C173.2 57.64,45.65 v1(57.64,43.87) ; v1(79.05,46.74) 79.05,47.41 C51.2 ; C191.2 15.67,50.89 v1(15.67,51.69) ; C141.2 v1(52.25,34.59) ; C69.2 13.01,26.16 v3(12.37,26.8) 11.99,26.42 C65.2 ; v3(75.87,47.24) C59.2 ; J3.GND2 84.7,16.23 v1(84.7,15.49) ; v1(55.5,20.83) 57.2,20.83 C134.2 57.08,20.95 56.44,21.59 v1(56.44,22.23) ; J3.GND1 v1(85.03,32.05) ; C7.1 27.57,35.17 28.12,34.62 v1(28.12,34.59) ; J3.GND5 71,27.08 v1(70.21,27.08) ; v3(74.73,48.56) 74.73,48.64 74.98,48.89 C56.2 ; v1(55.5,19.56) 55.34,19.56 C257.2 55,18.37 55.04,18.37 v1(55.5,17.91) 55.46,17.91 55.17,17.61 C285.2 ; v1(54.09,21.13) 54.09,21.62 54.04,21.62 C129.2 ; R76.1 37.77,53.47 v3(37.14,54.1) 36.76,54.48 36.76,54.99 35.87,55.88 C286.2 34.72,55.88 34.22,56.39 v1(34.22,57.28) 34.72,57.28 35.49,58.04 C179.2 ; C264.2 47.53,8.04 v1(47.53,7.37) ; v1(40.93,30.57) 40.93,31.09 41.21,31.37 R81.1 ; C48.2 23.04,45.39 22.65,45.78 22.4,45.78 v1(22.15,46.02) ; C60.2 72.95,49.07 v3(73.46,48.56) 73.97,49.07 C55.2 ; J3.9 72.07,20.37 v1(72.07,20.7) 71.94,20.83 71.45,20.83 J3.GND6 ; C267.2 42.98,13.34 42.98,12.88 43.23,12.62 v1(43.61,12.62) ; C9.1 44.92,51.21 v1(44.5,50.79) ; v1(80.7,50.34) 81.28,50.34 82.1,49.53 C84.2 ; C175.2 44.94,31.36 v1(44.94,30.57) ; C63.2 3.32,27.3 4.03,27.3 4.28,27.05 5.39,27.05 v1(5.64,26.8) ; v1(13.24,47.24) 13.24,47.92 C25.2 ; C112.2 28.5,19.65 v1(28.5,20.37) ; v1(33.77,49.07) 33.77,49.68 C35.2 ; C43.2 27.6,44.08 v3(27.49,44.2) ; v1(45.13,10.02) 45.13,9.35 C265.2 ; v1(44.14,22.57) 44.14,22.23 C152.2 ; C10.1 v1(40.4,57.05) ; v1(3.86,43.81) C17.2 5.64,44.32 v1(5.64,45.59) ; C95.2 28.63,27.86 28.11,28.38 v1(27.59,28.38) ; C41.2 v1(25.41,51.07) ; C66.2 11.36,30.01 v3(11.36,29.34) 11.14,29.12 C68.2 ; C263.2 v1(45.75,12.34) ; C74.2 35.23,31.37 35.19,31.33 R113.2 34.6,29.97 34.8,29.77 v1(35.33,29.77) ; v1(64.61,30.28) 64.58,30.25 C197.2 ; R294.2 45.46,55.7 v1(45.46,56.76) ; R90.2 76,49.02 75.87,48.89 v3(75.87,48.51) ; R237.2 v1(47.93,11.73) ; R299.1 R301.1 49.75,51.74 v1(50.35,51.74) ; C290.2 v1(44.12,59.49) C259.1 ; C46.2 23.89,42.56 v1(23.93,42.6) ; v1(5.39,38.86) 5.39,40.39 C194.2 v1(3.86,40.64) ; v1(45.74,22.57) 45.85,22.45 C153.2 ; C58.2 v1(44.57,7.37) ; C138.2 v1(54.41,40.64) ; v1(72.44,30.99) 74.02,30.99 J3.GND4 ; C53.2 43.78,46.91 v1(43.49,46.91) ; C54.2 v1(38.92,46.28) ; C174.2 34.56,41.67 v1(34.98,42.09) 35.52,42.09 R111.2 ; v1(29.07,47.74) 29.07,48.46 29.3,48.69 C33.2 ; v1(64.57,51.87) v1(64.57,51.18) 64.57,51.1 C255.2 64.19,49.53 v1(64.59,49.12) 64.86,48.86 C274.2 ; C230.2 v1(50.61,18.97) ; v1(56.61,30.28) 55.64,30.28 C131.2 ; v1(27.1,39.55) 27.1,39.97 C62.2 ; C136.2 v1(53.39,40.64) ; v1(54.54,34.54) 54.54,35.22 C298.2 ; v1(42.06,10.03) 42.06,9.49 C67.2 ; v3(75.87,46.1) 76.6,46.1 C57.2 ; v1(29.77,38.15) 29.52,37.9 29.26,37.9 28.88,37.52 C49.2 ; v1(75.24,17.53) 75.24,16.59 J3.GND3 ; C27.2 13.11,46.27 v1(13.11,45.85) ; v1(37.49,9.53) 37.49,8.78 C232.2 ; C26.2 v1(21.36,34.16) ; v1(75.62,57.53) 76.25,58.17 77.52,58.17 C281.2 78.29,58.42 82.6,58.42 PTH3.1 ; C52.2 v1(65.27,45.33) ; v1(24.31,35.23) 24.09,35.01 R67.2 ; v1(60.89,51.74) 60.89,50.04 61.01,49.91 61.65,50.55 61.65,51.05 62.03,51.43 v1(62.03,51.74) ; v1(37.65,49.87) 37.85,50.08 C61.2 C24.2 ; v1(25.19,32.38) 25.36,32.56 C99.2 ; v1(44.06,21.13) 44.06,20.19 44.31,19.94 ; R239.2 67.85,32.26 67.81,32.3 v1(67.81,32.68) ; C266.2 46.89,12.01 v1(46.54,12.37) ; R281.2 65.33,19.22 v1(65.33,18.54) ; C279.2 65.59,46.91 v1(65.33,46.66) ; 22.91,27.08 v1(22.91,25.83) 23.33,25.41 C108.2 ; C151.2 v1(52.25,46.28) ; C142.2 v1(54.54,31.12) ; 11.1,21.72 v1(10.21,21.72) 9.45,21.72 C70.2 8.82,22.73 9.58,23.5 v1(10.21,23.5) 10.85,23.5 11.61,22.73 C71.2 11.1,21.72
  vias: v1(1.2,59.82) v1(1.2,55.75) v1(5.39,59.82) v1(5.39,55.75) v1(42.09,12.62) v1(42.53,32.97) v1(44.25,15.29) v1(45.77,13.39) v1(46.54,17.45) v1(46.54,13.39) v1(49.96,46.28) v1(51.23,46.28) v1(59.62,50.04) v1(59.74,51.05) v1(63.81,18.54) v1(63.81,17.78) v1(63.81,17.02) v1(64.57,18.54) v1(64.57,17.78) v1(64.57,17.02) v1(65.33,51.87) v1(65.33,51.16) v1(65.33,17.78) v1(65.33,17.02) v1(66.09,51.87) v1(66.22,20.13) v1(66.35,20.76) v1(67.24,22.1) v1(68.51,22.1) v1(73.71,12.31) v1(81.08,51.74) v1(81.21,59.82) v1(81.21,55.75) v1(81.21,11.56) v1(81.21,7.49) v1(85.27,59.82) v1(85.27,55.75) v1(85.27,11.56) v1(85.27,7.49) v2(14.91,19.3) v2(16.18,19.3) v2(16.69,20.7) v3(11.36,28.07) v3(12.37,29.34) v3(12.37,28.07) v3(13.52,29.34) v3(13.52,28.07) v3(13.52,26.8) v3(25.45,45.21) v3(25.45,44.2) v3(26.47,46.23) v3(26.47,45.21) v3(26.47,44.2) v3(27.49,45.21) v3(73.46,47.29) v3(73.46,46.02) v3(74.73,47.29) v3(74.73,46.02)
